# KiCad board Soldermander.kicad_pcb (continued)
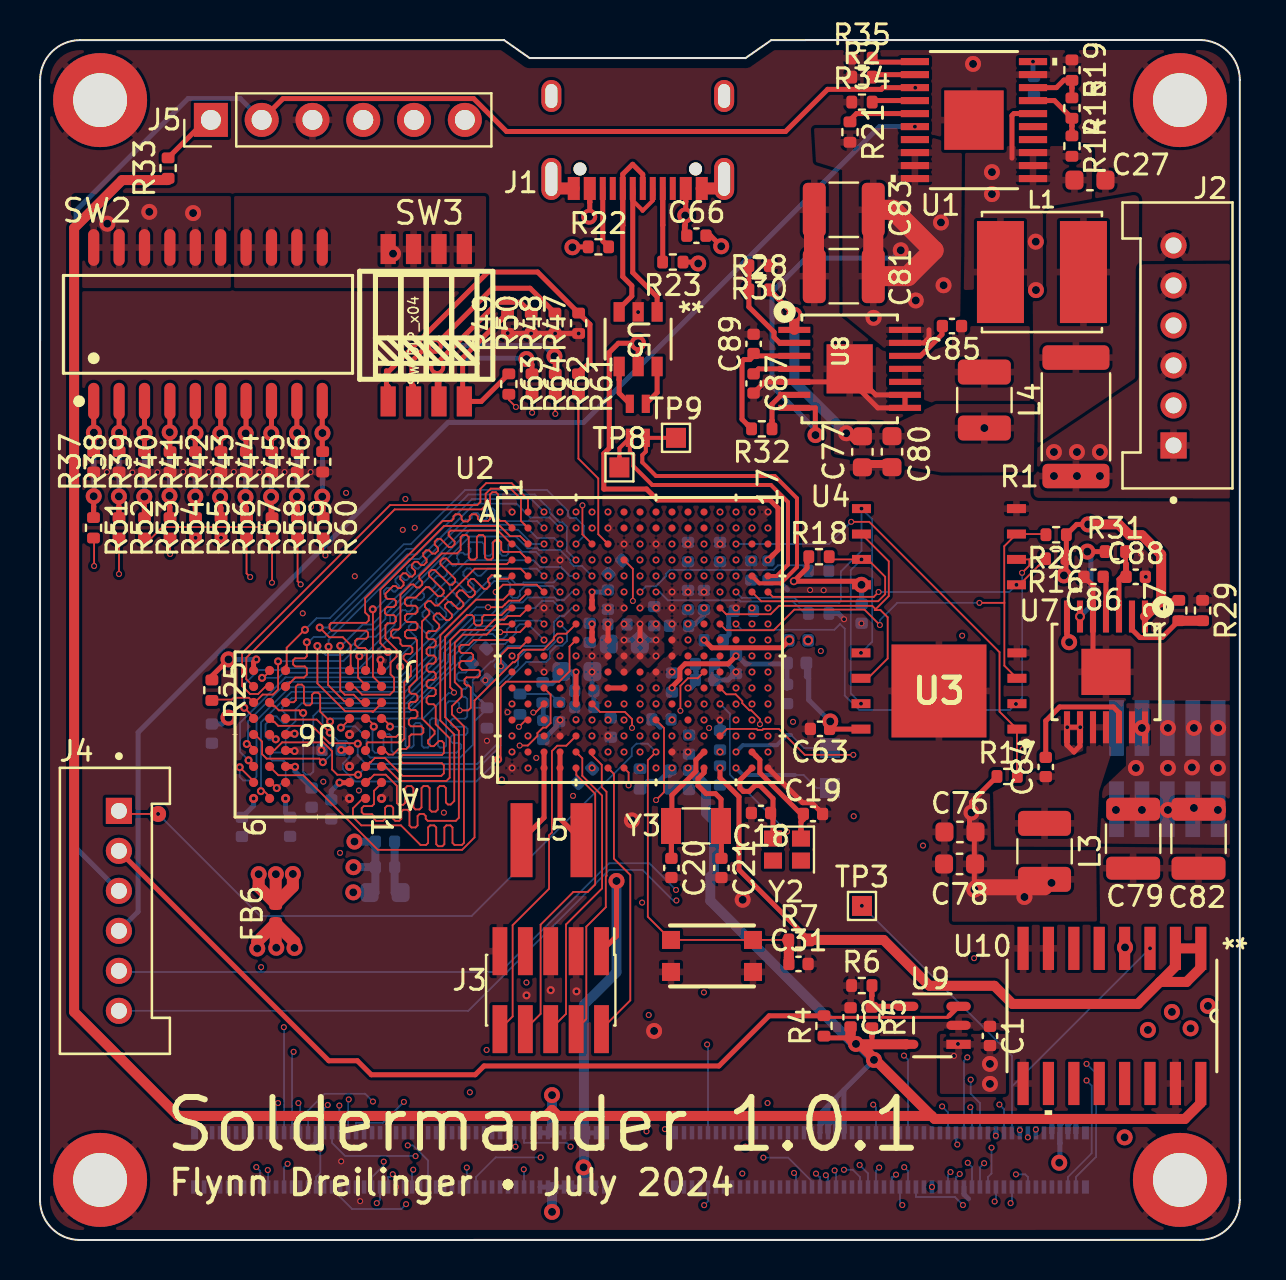
[diagram p0: board, top side]
## Routing (per net, layer and track width the routed paths; a pad name or vN(x,y) marks a point on that pad's centre or on a via; arc(x,y) is an arc through that point) (continued)
Net-(R46-Pad2): length 7.3
  Top w0.25: v3(14.12,37.18) 14.12,36.67 ; 14.12,36.67 14.16,36.63 R60.1 ; 14.12,36.67 14.12,36.17 ; R46.2 14.12,39.45 14.12,40.35 v3(14.13,40.36) 14.12,40.37 SW2.10
  Bottom w0.25: v3(14.13,40.36) 14.13,37.19 v3(14.12,37.18)
Net-(R47-Pad2): length 18.7
  Top w0.25: SW3.1 17.41,42.69 17.33,42.78 ; 17.33,43.48 17.33,43.33 ; 17.33,43.33 22.41,48.41 24.89,48.41 26.81,46.48 ; 17.33,43.33 17.33,43.17 ; 17.33,43.33 17.33,43.17 ; 27.2,43.59 27.5,43.89 27.5,45.79 26.81,46.48 ; 27.2,43.59 R61.1 ; 27.2,43.59 27.11,43.59 26.93,43.41 ; 26.93,46.35 26.81,46.47 26.81,46.48 ; 26.93,46.35 R47.2 ; 26.93,46.35 26.94,46.35 ; 17.33,43.17 17.33,42.78 ; 17.33,42.78 17.33,42.39
Net-(R48-Pad2): length 18.8
  Top w0.25: SW3.2 18.68,42.7 18.6,42.78 ; 18.6,42.78 18.6,43.95 19.36,44.72 v3(19.75,44.72) 22.62,47.6 24.51,47.6 R48.2 ; 18.6,42.78 18.6,42.36 ; v3(25.73,44.2) 25.77,44.16 R62.1
  Bottom w0.25: v3(19.75,44.72) 19.76,44.73 25.2,44.73 v3(25.73,44.2)
Net-(R49-Pad2): length 8.8
  Top w0.25: 23.38,46.35 23.01,45.97 23,45.97 ; 23,45.97 R49.2 ; 23,45.97 21.14,44.11 21.14,42.48 ; 21.14,42.48 21.22,42.4 SW3.4 22.07,41.94 R63.1 ; 21.14,42.48 21.14,42.4
Net-(R50-Pad2): length 14.3
  Top w0.25: 19.87,43.02 19.87,42.38 ; 19.87,43.02 v3(19.87,43.66) 19.87,43.87 22.9,46.9 24.03,46.9 R50.2 ; 19.87,43.02 19.95,42.94 19.95,42.94 19.95,41.94 ; v3(24.33,44.06) 24.61,43.78 R64.1
  Bottom w0.25: v3(19.87,43.66) 20.31,44.1 24.29,44.1 v3(24.33,44.06)
Net-(U1-*FLT): length 3.5
  Top w0.25: U1.15 40.83,56.33 40.51,56.01 R21.1
Net-(U1-DVDT): length 0.8
  Top w0.25: v1(49.66,58.93) U1.10
  Bottom w0.25: C11.2 49.71,58.21 49.66,58.25 v1(49.66,58.93)
Net-(U1-ILIM): length 2.5
  Top w0.25: 41.61,59.01 41.62,59.02 R35.2 ; 41.61,59.01 41.61,58.91 43.73,58.91 U1.11 ; 41.61,59.01 41.61,59.11
Net-(U1-IMON): length 2.2
  Top w0.25: 41.61,56.91 41.62,56.92 ; 41.62,56.92 41.63,56.93 41.63,56.98 43.75,56.98 ; 41.62,56.92 R34.2
Net-(U1-MODE): length 2.2
  Top w0.25: U1.12 43.75,58.28 41.93,58.28 41.77,58.12 41.64,58.12 41.61,58.15 ; 41.61,58.15 41.61,58.16 ; 41.61,58.15 R2.2
Net-(U1-OVP): length 3.4
  Top w0.25: 51.61,57.61 51.61,58.01 51.21,58.01 50.83,57.63 U1.8 ; 51.61,57.61 R19.2 ; 51.61,57.61 R15.1
Net-(U1-UVLO): length 3.8
  Top w0.25: 51.61,55.71 51.61,56.11 50.73,56.98 49.66,56.98 ; 51.61,55.71 R15.2 ; 51.61,55.71 51.61,55.51 ; 51.61,55.51 R14.1 ; 51.61,55.51 51.61,55.31
Net-(U2A-RTC_XTALI): length 7.2
  Top w0.25: 31.58,20.73 31.58,20.75 31.6,20.77 31.6,22.24 32.8,23.44 32.8,24 33,24.2 ; 31.58,20.73 31.58,19.9 ; 31.58,20.73 Y3.2 ; 31.58,19.9 31.58,19.06 ; 31.58,19.9 C20.1 ; 33,24.2 U2.T13 33,24.2
Net-(U2A-RTC_XTALO): length 7.2
  Top w0.25: 34.08,20.86 34.08,19.97 ; 34.08,19.97 34.08,19.52 ; 34.08,19.97 34.06,19.99 34.06,21.02 ; 34.06,21.02 34.06,22.05 33.78,22.32 33.31,22.32 32.91,22.73 32.91,23.07 33.21,23.37 33.21,23.49 ; 34.06,21.02 Y3.1 ; 34.08,19.52 34.08,19.08 ; 34.08,19.52 34.08,19.52 C21.1 ; 33.21,23.49 U2.U13 33.21,23.49
Net-(U2C-DCDC_LN_1): length 4.9
  Top w0.25: U2.T4 U2.U4 26.01,21.07 L5.2
Net-(U2C-DCDC_LP_1): length 4.9
  Top w0.25: U2.T3 U2.U3 25.21,21.12 L5.1
Net-(U2E-XTALI): length 5.7
  Top w0.25: 36.66,21.08 Y2.2 ; 36.66,21.08 36.54,21.2 C18.1 ; 36.66,21.08 36.66,22.08 36.01,22.73 35.76,22.73 35.47,22.44 35.17,22.44 35,22.61 35,23 U2.U16
Net-(U2E-XTALO): length 6.5
  Top w0.25: 38.06,20.91 38.18,21.03 C19.1 ; 38.06,20.91 38.06,20.51 ; 38.06,20.91 38.06,21.31 36,23.36 36,24.01 35.8,24.21 ; 35.8,24.21 U2.T16 35.8,24.21 ; 38.06,20.51 Y2.1 38.06,20.51
Net-(U5-IO_1_OUT): length 2.1
  Top w0.25: U5.6 30.86,42.38 L2.4
Net-(U5-IO_2_OUT): length 2.8
  Top w0.25: 29.46,41.86 28.96,42.35 28.96,43.02 ; 29.46,41.86 L2.1 ; 29.46,41.86 29.48,41.84 ; L2.1 29.48,41.84 ; L2.1 29.48,41.84 ; 28.96,43.02 U5.4 28.96,43.02
Net-(U7-PG): length 4.4
  Top w0.25: R31.1 v3(52.38,34.43)
  Bottom w0.25: v3(52.38,34.43) 52.55,34.25 52.55,31.72 v4(52.01,31.18)
Net-(U7-SS): length 2.1
  Top w0.25: C86.1 53.31,33.17 53.31,31.18 U7.4
Net-(U7-VBST): length 7
  Top w0.25: 53.96,26.01 U7.12 53.96,26.01 ; 53.96,26.01 53.96,26.37 53.68,26.66 50.99,26.66 50.3,25.96 C84.2
Net-(U7-VFB): length 4.7
  Top w0.25: 54.61,31.17 54.61,30.53 55.01,30.13 56.11,30.13 R27.1 ; 54.61,31.17 U7.2 54.61,31.17 ; 58.13,30.97 58.14,30.98
  Top w0.5: R27.1 R29.2
Net-(U7-VREG5): length 4.7
  Top w0.25: 54.29,34.28 R31.2 54.29,34.28 ; 54.29,34.28 54.29,34.14 ; 54.29,34.14 54.28,34.15 54.28,34.43 ; 54.29,34.14 54.29,33.85 ; 54.29,33.85 54.29,33.28 ; 54.29,33.85 54.34,33.8 54.34,33.42 54.14,33.22 ; 54.17,33.19 54.14,33.22 ; 54.17,33.19 54.29,33.19 C88.1 ; 54.17,33.19 54.2,33.17 ; 54.14,33.22 53.96,33.04 U7.3
Net-(U8-PG): length 3
  Top w0.25: 36.61,40.99 R32.1 36.61,40.99 ; 36.61,40.99 36.61,41.8 37.07,42.26 U8.6
Net-(U8-SS): length 2.3
  Top w0.25: 35.84,43.47 35.93,43.56 U8.4 ; 35.84,43.47 35.75,43.38 ; 35.84,43.47 C87.1
Net-(U8-VBST): length 2.9
  Top w0.25: 45.11,45.49 45.11,45.71 ; 45.11,45.49 45.11,45.28 44.04,44.21 U8.12 ; 45.11,45.49 45.13,45.51 C85.2
Net-(U8-VFB): length 5.9
  Top w0.25: 35.45,48.32 35.46,48.33 35.46,48.73 ; 35.45,48.32 35.45,48.52 ; 35.45,48.32 35.45,47.49 ; 35.45,48.52 R30.2 35.45,48.52 ; 35.45,47.49 35.45,46.66 36.71,45.4 36.71,45.15 36.99,44.86 U8.2 ; 35.45,47.49 R28.1
Net-(U8-VREG5): length 6.7
  Top w0.25: 35.37,40.78 R32.2 ; 35.37,40.78 35.38,40.78 35.6,40.57 ; 35.37,40.78 35.11,41.05 35.11,43.94 35.2,44.03 35.5,44.03 35.75,44.28 ; 35.75,44.28 C89.1 ; 35.75,44.28 35.81,44.21 U8.3
Net-(U9-ADJ): length 3.3
  Top w0.25: 41.6,12.73 41.6,12.21 ; 41.6,12.21 41.61,12.22 R6.2 ; 41.6,12.21 41.6,11.7 41.61,11.69 ; 41.61,11.69 41.61,11.65 R5.1 ; 41.61,11.69 U9.4

## Copper pours and planes (outline as drawn; the poured copper is in the pictures)
GND on Top, Bottom, In1.Cu, In2.Cu, In3.Cu, In4.Cu: -7.46,71.27 -7.46,-16.17 78.93,-16.17 79.05,70.98
GNDREF on Bottom: 14.91,64.91 14.91,52.21 22.31,52.21 22.31,46.99 32.81,46.91 37.31,51.51 37.31,64.91
VBATT on Top: 46.04,47.5 46.04,55.57 46.11,54.71 52.61,54.71 52.61,51.91 50.31,51.51 50.32,47.69
VBATT on Top: 45.01,10.31 45.01,7.31 48.31,7.31 48.31,10.31
VBATT on Bottom: 53.11,50.41 53.01,54.11 46.71,54.11 46.71,51.71 48.91,51.71 48.91,19.81 53.41,14.01 53.21,7.31 80.61,7.31 80.71,40.91
VBATT on In3.Cu: 42.31,16.01 42.41,-9.39 74.01,-9.39 74.01,16.01
VBATT_IN on Top: 49.71,39.51 54.93,43.01 54.96,48.8 59.63,48.83 59.78,37.09 49.69,37.12
VBATT_IN on In3.Cu: 17.31,57.81 17.31,52.11 23.69,47.47 26.97,40.17 36.69,40.26 44.88,42.7 49.8,42.7 49.77,36.44 53.87,36.43 53.87,45.4 38.55,45.37 33.39,42.94 29.47,42.87 26.76,49.19 20.01,54.71 20.01,57.81
VBATT_SENSE on Top: 50.31,51.51 50.32,47.69 49.65,47.01 49.71,39.51 54.93,43.01 54.97,52.31
VDD_1V8 on Top: 1.71,52.21 1.71,47.61 9.71,47.61 9.71,52.21
VDD_1V8 on Top: 45.67,22.37 45.61,15.92 52.86,15.93 52.82,19.5 47.57,19.52 47.51,22.34
VDD_1V8 on In3.Cu: 42.41,-9.39 42.31,16.01 53.01,16.11 53.1,28.73 49.72,28.74 49.79,32.15 53.01,32.17 53.06,36.43 28.67,36.46 28.68,32.87 26.42,32.87 26.41,31.24 28.42,31.24 28.42,29.62 33.62,29.62 33.6,31.25 39.81,31.26 39.81,27.91 33.71,27.91 33.7,16.53 19.34,16.31 8.84,16.42 8.97,32.09 19.4,32.09 19.68,41.99 9.92,45.28 9.88,62.55 -2.22,62.64 -2.62,-9.73
VDD_3V3 on Top: 44.81,41.81 42.79,40.83 39.7,40.94 39.71,39.31 45.08,38.39 49.7,38.4 49.75,41.81
VDD_3V3 on Top: 22.31,52.21 9.71,52.21 9.71,47.61 22.31,47.61
VDD_3V3 on In3.Cu: 9.77,45.38 19.53,42.09 19.34,16.31 33.7,16.53 33.71,27.91 39.81,27.91 39.81,31.26 33.62,31.24 33.62,29.62 28.42,29.62 28.42,31.24 26.41,31.24 26.42,32.87 28.68,32.87 28.67,36.46 49.77,36.44 49.8,42.7 44.88,42.7 36.69,40.26 33.41,40.25 33.6,63.25 9.73,62.65
VDD_SOC_IN on Top: 28.79,31.25 28.77,28 31.24,27.99 31.21,31.25
/SDRAM/SDRAM_1V8 on In3.Cu: 8.96,32.09 8.81,16.43 19.27,16.33 19.37,32.09
VSYS on Top: 54.33,26.85 54.31,23.72 52.97,22.44 53,19.83 59.55,19.76 59.57,26.79
VSYS on Top: 38.71,55.61 38.81,53.91 40.11,53.51 40.14,46.32 42.31,44.54 46,44.52 46.07,49.2 46.11,54.71 42.91,55.61
VSYS on Bottom: 53.11,27.21 53.11,19.91 59.51,19.91 59.51,27.21
VSYS on In3.Cu: 38.6,65.58 38.59,49.39 38.55,45.37 53.87,45.4 53.84,32.08 49.79,32.15 49.72,28.74 53.1,28.73 53.01,16.01 74.01,16.01 74.73,65.71
VUSB on In3.Cu: 20.01,62.71 20.01,54.71 26.76,49.19 29.47,42.87 33.39,42.94 38.55,45.37 38.51,62.95
Net-(U7-SW1) on Top: 52.36,26.73 52.33,24.35 49.82,23.48 47.51,22.34 47.57,19.52 52.82,19.5 52.97,22.44 53.57,24.3 53.62,26.74
Net-(U8-SW1) on Top: 42.32,43.78 42.35,42.67 44.81,41.81 49.75,41.81 49.81,45.71 45.61,45.71 45.61,44.81

## Text on the board
F.Silkscreen: Flynn Dreilinger • July 2024 | Soldermander 1.0.1
